# Altium PCB SNES TST Main.PcbDoc (part 1 of 3) (continued)
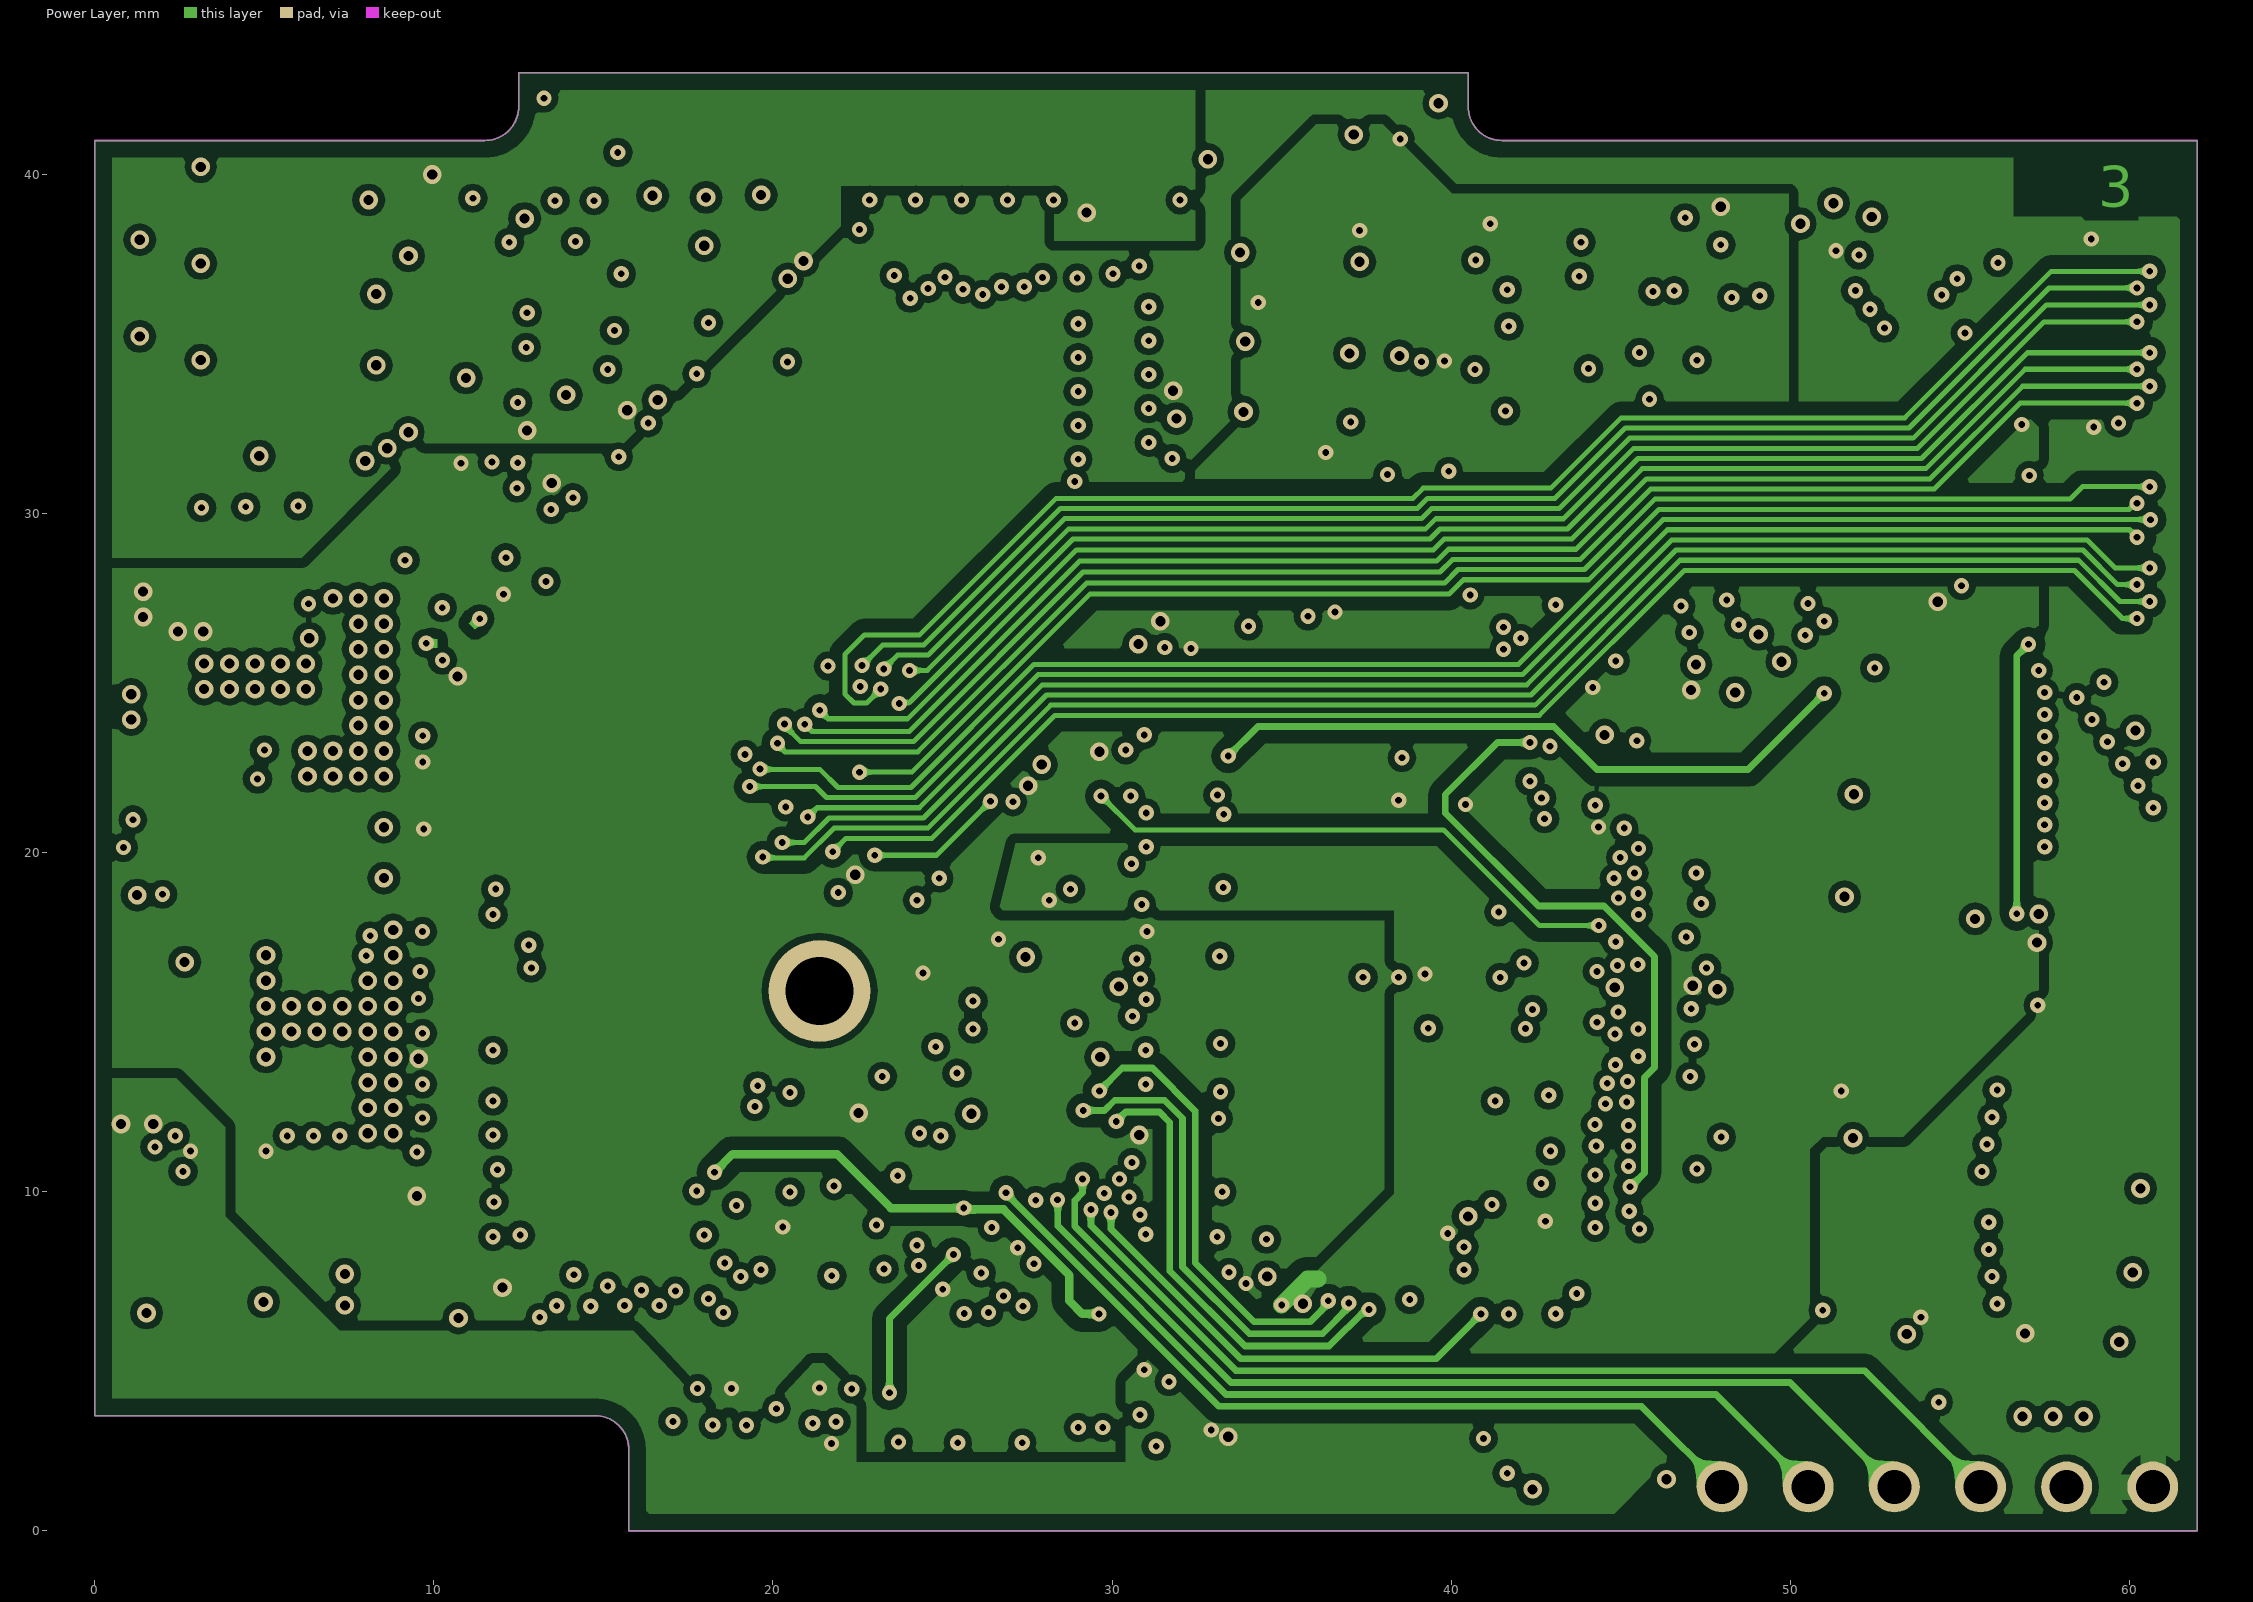
[diagram p3: Power Layer]
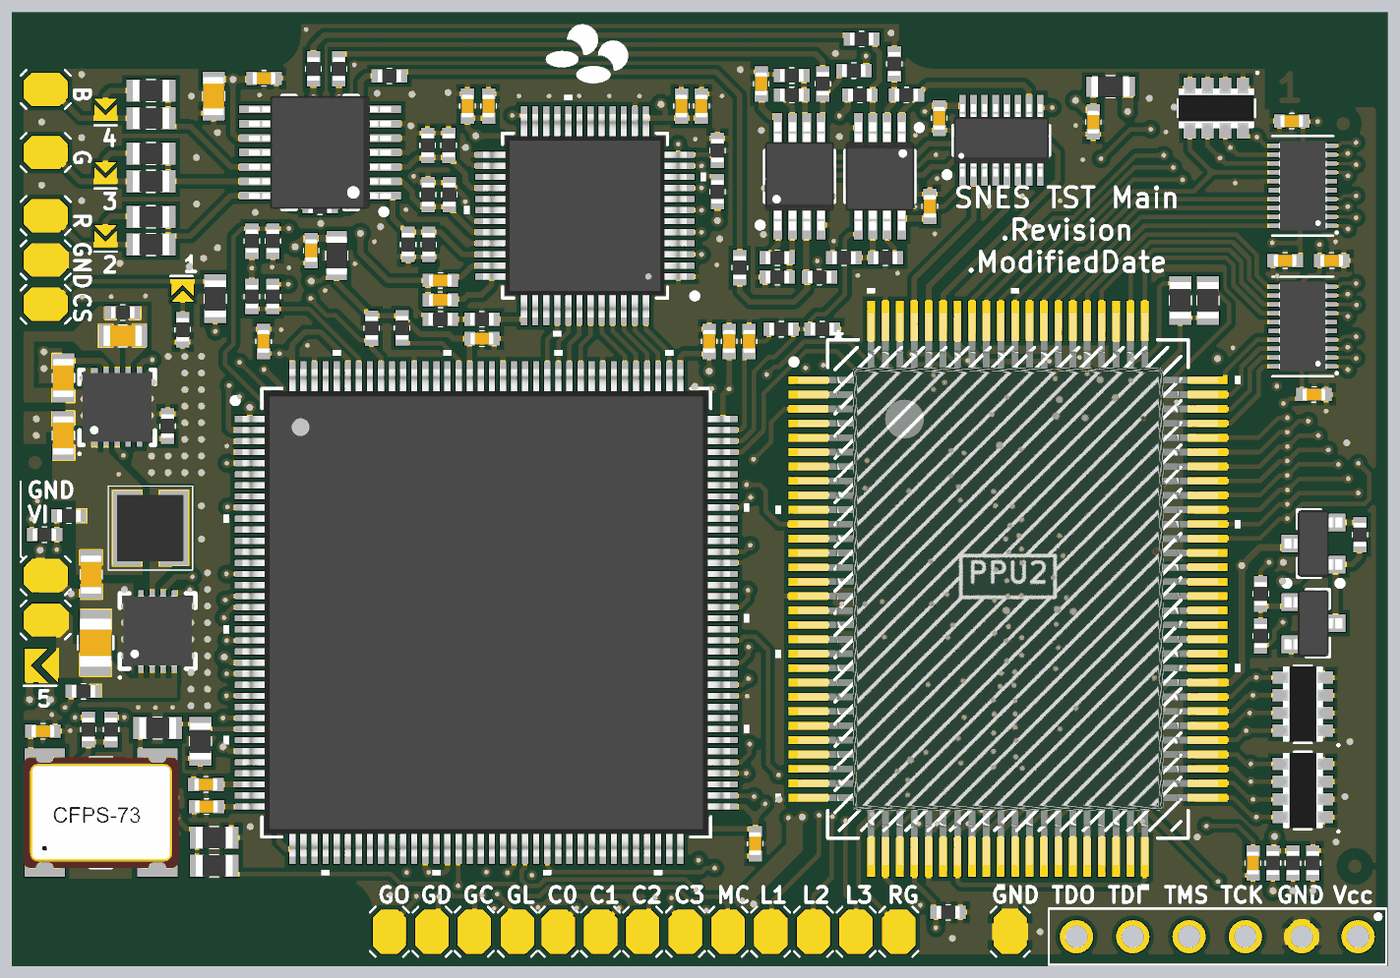
[diagram p6: 3D render of the assembled board from above, using the file's embedded part models]
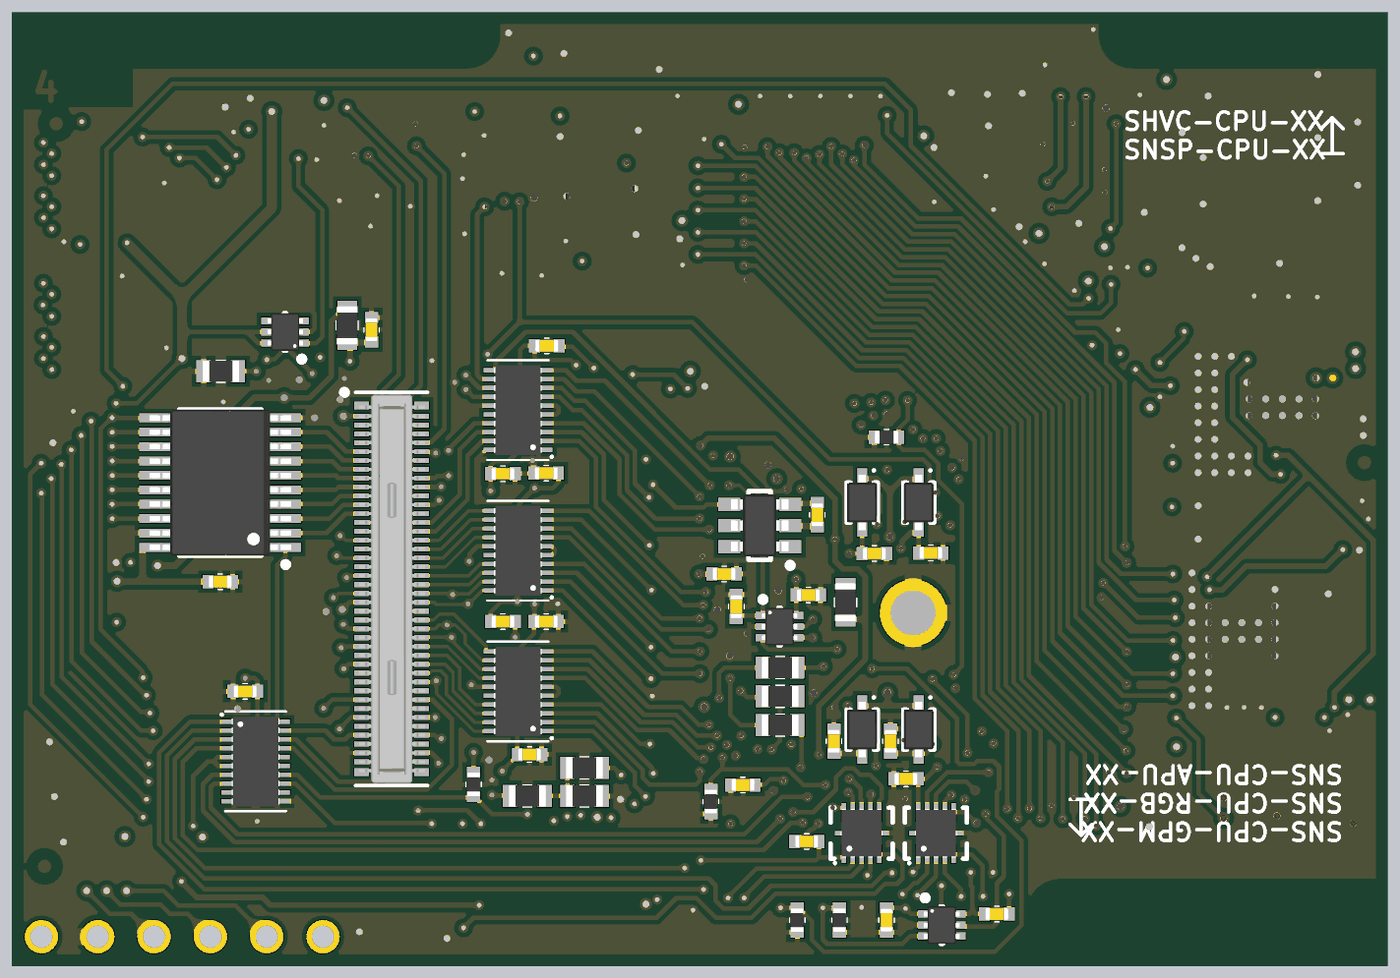
[diagram p7: 3D render of the assembled board from below, using the file's embedded part models]

## Layer stack, top to bottom
Top Solder: solder mask 0.01, Solder Resist, Dk 3.5
Top Layer: signal copper 0.035
Dielectric 4: prepreg 0.07, 1080, Dk 4.6
Dielectric 2: prepreg 0.07, 1080, Dk 4.6
Ground Layer: signal copper 0.035
Dielectric 1: core 1.2, FR-4, Dk 4.8
Power Layer: signal copper 0.035
Dielectric 3: prepreg 0.07, 1080, Dk 4.6
Dielectric 5: prepreg 0.07, 1080, Dk 4.6
Bottom Layer: signal copper 0.035
Bottom Solder: solder mask 0.01, Solder Resist, Dk 3.5

## Board outline
0,41 0,3.4 14.75,3.4 cw(c14.75,2.4) 15.75,2.4 15.75,0 62,0 62,41 41.5,41 cw(c41.5,42) 40.5,42 40.5,43 12.5,43 12.5,42 cw(c11.5,42) 11.5,41

## Design rules (kind name [scope] priority, off if disabled: settings)
BoardOutlineClearance BoardOutlineClearance_Overlay [(OnLayer('Top Overlay') OR OnLayer('Bottom Overlay'))] p1: gap=0 ignorepadtopadclearanceinfootprint=FALSE
BoardOutlineClearance [All] p2: gap=0.5 ignorepadtopadclearanceinfootprint=FALSE
Clearance Clearance_PowerPlane_Track [InNetClass('Power') And OnLayer('Power Layer') And Not IsTrack vs istrack] p1: gap=0.4 ignorepadtopadclearanceinfootprint=FALSE
Clearance Clearance_PowerPlane [InNetClass('Power') And OnLayer('Power Layer') vs InNetClass('Power') And OnLayer('Power Layer')] p2: gap=0.3 ignorepadtopadclearanceinfootprint=FALSE
Clearance [All] p3: gap=0.15 ignorepadtopadclearanceinfootprint=FALSE except(0.2: Arc-Poly Track-Poly SMDPad-Poly THPad-Poly Via-Poly Fill-Poly Poly-Poly; 0.25: Arc-Hole Track-Hole SMDPad-Hole THPad-Hole Via-Hole Fill-Hole Poly-Hole Region-Hole Text-Hole)
Height Height_Bot [OnBottom] p1: minheight=0 maxheight=1.5 prefheight=1
Height Height_Top [OnTop] p2: minheight=0 maxheight=3.3 prefheight=2
MinimumAnnularRing [All] p1: minimumring=0.1
MinimumSolderMaskSliver [All] p1: minsoldermaskwidth=0.07
PlaneConnect [All] p1: planeconnectstyle=Relief reliefexpansion=0.6 reliefentries=4 reliefconductorwidth=0.3 reliefairgap=0.3
PolygonConnect PolygonConnect_Big_Pad [(AsMM(PadXSize_AllLayers) > 0.8) And (AsMM(PadYSize_AllLayers) > 0.8)] p1: thpad.connectstyle=Relief thpad.reliefconductorwidth=0.75 thpad.reliefentries=4 thpad.polygonreliefangle="90 Angle" thpad.airgapwidth=0.25 smdpad.connectstyle=Relief smdpad.reliefconductorwidth=0.75 smdpad.reliefentries=4 smdpad.polygonreliefangle="90 Angle" smdpad.airgapwidth=0.25 via.connectstyle=Direct via.reliefconductorwidth=0.5 via.reliefentries=4 via.polygonreliefangle="90 Angle" via.airgapwidth=0.2
PolygonConnect [All] p2: thpad.connectstyle=Relief thpad.reliefconductorwidth=0.225 thpad.reliefentries=4 thpad.polygonreliefangle="90 Angle" thpad.airgapwidth=0.2 smdpad.connectstyle=Relief smdpad.reliefconductorwidth=0.225 smdpad.reliefentries=4 smdpad.polygonreliefangle="90 Angle" smdpad.airgapwidth=0.2 via.connectstyle=Direct via.reliefconductorwidth=0.225 via.reliefentries=4 via.polygonreliefangle="90 Angle" via.airgapwidth=0.2
RoutingVias [All] p1: holewidth=0.711 width=1.27 viastyle="Through Hole" minholewidth=0.2 minwidth=0.45 maxholewidth=2 maxwidth=2
SilkToSilkClearance [All] p1: silktosilkclearance=0
SilkToSolderMaskClearance [IsPad] p1: minsilkscreentomaskgap=0.1 clearancetoexposedcopper=TRUE
SolderMaskExpansion SolderMaskExpansion_Via [IsVia] p1: expansion=0.102 istentingtop=TRUE
SolderMaskExpansion [All] p2: expansion=0.05 istentingtop=FALSE
Width Width_0_15 [InNetClass('PA5V[7..0]') OR InNetClass('D5V[7..0]') OR InNetClass('TST3V[15..0]') OR InNetClass('VDA[7..0]')] p1: maxlimit=0.15 minlimit=0.15 preferedwidth=0.15
Width Width_Power [InNetClass('POWER')] p2: maxlimit=0.8 minlimit=0.2 preferedwidth=0.3
Width [All] p3: maxlimit=0.4 minlimit=0.2 preferedwidth=0.25
25 further rules are at their usual default settings.

## Classes and differential pairs
net class VDBCON[7..0]: VDBCON0 VDBCON1 VDBCON2 VDBCON3 VDBCON4 VDBCON5 VDBCON6 VDBCON7
component class Connectors: J2 R21 R22 R23 R24 TP1 TP2 TP3 TP4 TP5 TP6 TP7 TP8 TP9 TP10 TP11 TP12 TP13 TP14 TP15 TP16 TP17 TP18 TP19 TP20 TP21
component class "3.3V Voltage Regulator": C47 C48 C49 C50 C51 C52 C53 C54 FB1 FB2 FB3 FB4 Fid1 Fid2 Fid3 Fid4 Fid5 Fid6 IC22 IC23 JP5 L1 Q1 Q2 R71 R72 R73 R74 R75 R76 R77 R78
net class POWER: 3.3V 3.3V_A 3.8V 5V 5V_A 5V_PPU NetIC22_7 PPU_AVCC VCCA VIN
net class VDB[7..0]: VDB0 VDB1 VDB2 VDB3 VDB4 VDB5 VDB6 VDB7
net class VDA[7..0]: VDA0 VDA1 VDA2 VDA3 VDA4 VDA5 VDA6 VDA7
net class TST5V[15..0]: TST5V0 TST5V1 TST5V2 TST5V3 TST5V4 TST5V5 TST5V6 TST5V7 TST5V8 TST5V9 TST5V10 TST5V11 TST5V12 TST5V13 TST5V14 TST5V15
net class TST3V[15..0]: TST3V0 TST3V1 TST3V2 TST3V3 TST3V4 TST3V5 TST3V6 TST3V7 TST3V8 TST3V9 TST3V10 TST3V11 TST3V12 TST3V13 TST3V14 TST3V15
net class RDIG[9..1]: RDIG1 RDIG2 RDIG3 RDIG4 RDIG5 RDIG6 RDIG7 RDIG8 RDIG9
net class PA5V[7..0]: PA5V0 PA5V1 PA5V2 PA5V3 PA5V4 PA5V5 PA5V6 PA5V7
net class PA3V[7..0]: PA3V0 PA3V1 PA3V2 PA3V3 PA3V4 PA3V5 PA3V6 PA3V7
net class GDIG[9..1]: GDIG1 GDIG2 GDIG3 GDIG4 GDIG5 GDIG6 GDIG7 GDIG8 GDIG9
net class D5V[7..0]: D5V0 D5V1 D5V2 D5V3 D5V4 D5V5 D5V6 D5V7
net class D3V[7..0]: D3V0 D3V1 D3V2 D3V3 D3V4 D3V5 D3V6 D3V7
net class BDIG[9..1]: BDIG1 BDIG2 BDIG3 BDIG4 BDIG5 BDIG6 BDIG7 BDIG8 BDIG9
component class "5V<->3.3V Voltage Shifters": C18 C19 C20 C21 C22 C23 C24 C25 C26 C27 C28 C29 C30 C31 C32 C33 C34 C35 IC6 IC7 IC8 IC9 IC10 IC11 IC12 IC13 IC14 IC15 IC16 JP? Q? R25 R26 R27 R28 R29 R30 R? TP?
component class "RGB Video Output": C36 C37 C38 C39 C40 C41 C42 C43 C44 C45 C46 FB? IC17 IC18 IC19 IC20 IC21 JP1 JP2 JP3 JP4 JP? R31 R32 R33 R34 R35 R36 R37 R38 R39 R40 R41 R42 R43 R44 R45 R46 R47 R48 R49 R50 R51 R52 R53 R54 R55 R56 R57 R58 R59 R60 R61 R62 R63 R64 R65 R66 R67 R68 R69 R70 R? TP?
component class PPU2: C16 C17 IC3 IC4 IC5 R20 RN1 RN2 RN3
component class "MAX 10 CPLD": C1 C2 C3 C4 C5 C6 C7 C8 C9 C10 C11 C12 C13 C14 C15 D1 D2 D3 D4 D? FB? Fid? IC1 IC2 J1 J? R1 R2 R3 R4 R5 R6 R7 R8 R9 R10 R11 R12 R13 R14 R15 R16 R17 R18 R19 R? TP?

## Components (designator, comment, footprint, x,y, rotation, side; value= is the part's Value field where it differs from the comment)
C1 "Ceramic Capacitor 10pF 10V ±20% X7R 0402" Cap_0402_Chip 22.4,10.125 r90 bottom value=10pF
C2 "Ceramic Capacitor 10pF 10V ±20% X7R 0402" Cap_0402_Chip 24.95,10.125 r90 bottom value=10pF
C3 "Ceramic Capacitor 10pF 10V ±20% X7R 0402" Cap_0402_Chip 20.575,18.625 r180 bottom value=10pF
C4 "Ceramic Capacitor 10pF 10V ±20% X7R 0402" Cap_0402_Chip 23.125,18.6 r180 bottom value=10pF
C5 "Ceramic Capacitor 100nF 10V ±20% X7R 0402" Cap_0402_Chip 8.75,7.175 r180 top value=100nF
C6 "Ceramic Capacitor 100nF 10V ±20% X7R 0402" Cap_0402_Chip 33.5,5.5 r270 top value=100nF
C7 "Ceramic Capacitor 100nF 10V ±20% X7R 0402" Cap_0402_Chip 31.425,28.175 r90 top value=100nF
C8 "Ceramic Capacitor 100nF 10V ±20% X7R 0402" Cap_0402_Chip 11.325,28.175 r90 top value=100nF
C9 "Ceramic Capacitor 100nF 10V ±20% X7R 0402" Cap_0402_Chip 32.325,28.175 r90 top value=100nF
C10 "Ceramic Capacitor 100nF 10V ±20% X7R 0402" Cap_0402_Chip 21.175,28.3 r0 top value=100nF
C11 "Ceramic Capacitor 100nF 10V ±20% X7R 0402" Cap_0402_Chip 1.375,10.575 r0 top value=100nF
C12 "Ceramic Capacitor 100nF 10V ±20% X7R 0402" Cap_0402_Chip 8.725,8.175 r180 top value=100nF
C13 "Ceramic Capacitor 100nF 10V ±20% X7R 0402" Cap_0402_Chip 33.225,28.175 r90 top value=100nF
C14 "Ceramic Capacitor 100nF 10V ±20% X7R 0402" Cap_0402_Chip 29.9,17.675 r180 bottom value=100nF
C15 "Ceramic Capacitor 100nF 10V ±20% X7R 0402" Cap_0402_Chip 29.05,8.15 r0 bottom value=100nF
C16 "Ceramic Capacitor 100nF 10V ±20% X7R 0402" Cap_0402_Chip 25.7,20.35 r90 bottom value=100nF
C17 "Ceramic Capacitor 100nF 10V ±20% X7R 0402" Cap_0402_Chip 52.625,17.325 r180 bottom value=100nF
C18 "Ceramic Capacitor 100nF 10V ±20% X7R 0402" Cap_0402_Chip 38.675,9.525 r180 bottom value=100nF
C19 "Ceramic Capacitor 100nF 10V ±20% X7R 0402" Cap_0402_Chip 37.925,15.525 r180 bottom value=100nF
C20 "Ceramic Capacitor 100nF 10V ±20% X7R 0402" Cap_0402_Chip 58.7,25.775 r0 top value=100nF
C21 "Ceramic Capacitor 100nF 10V ±20% X7R 0402" Cap_0402_Chip 59.5,31.825 r0 top value=100nF
C22 "Ceramic Capacitor 100nF 10V ±20% X7R 0402" Cap_0402_Chip 39.875,22.2 r180 bottom value=100nF
C23 "Ceramic Capacitor 100nF 10V ±20% X7R 0402" Cap_0402_Chip 37.9,27.975 r180 bottom value=100nF
C24 "Ceramic Capacitor 100nF 10V ±20% X7R 0402" Cap_0402_Chip 57.4,31.825 r180 top value=100nF
C25 "Ceramic Capacitor 100nF 10V ±20% X7R 0402" Cap_0402_Chip 57.7,38.125 r180 top value=100nF
C26 "Ceramic Capacitor 100nF 10V ±20% X7R 0402" Cap_0402_Chip 51.5,12.375 r0 bottom value=100nF
C27 "Ceramic Capacitor 100nF 10V ±20% X7R 0402" Cap_0402_Chip 55.95,4.625 r270 top value=100nF
C28 "Ceramic Capacitor 100nF 10V ±20% X7R 0402" Cap_0402_Chip 39.875,15.525 r180 bottom value=100nF
C29 "Ceramic Capacitor 100nF 10V ±20% X7R 0402" Cap_0402_Chip 37.925,22.225 r0 bottom value=100nF
C30 "Ceramic Capacitor 100nF 10V ±20% X7R 0402" Cap_0402_Chip 29.35,16.2 r90 bottom value=100nF
C31 "Ceramic Capacitor 100nF 10V ±20% X7R 0402" Cap_0402_Chip 26.1,16.725 r180 bottom value=100nF
C32 "Ceramic Capacitor 100nF 10V ±20% X7R 0402" Cap_0402_Chip 26.175,5.6 r0 bottom value=100nF
C33 "Ceramic Capacitor 100nF 10V ±20% X7R 0402" Cap_0402_Chip 21.7,8.425 r0 bottom value=100nF
C34 "Ceramic Capacitor 100nF 10V ±20% X7R 0402" Cap_0402_Chip 22.575,2.05 r270 bottom value=100nF
C35 "Ceramic Capacitor 100nF 10V ±20% X7R 0402" Cap_0402_Chip 17.6,2.325 r180 bottom value=100nF
C36 "Ceramic Capacitor 100nF 10V ±20% X7R 0402" Cap_0402_Chip 41.375,34.275 r90 top value=100nF
C37 "Ceramic Capacitor 100nF 10V ±20% X7R 0402" Cap_0402_Chip 41.8,38.25 r270 top value=100nF
C38 "Ceramic Capacitor 100nF 10V ±20% X7R 0402" Cap_0402_Chip 33.775,39.8 r90 top value=100nF
C39 "Ceramic Capacitor 100nF 10V ±20% X7R 0402" Cap_0402_Chip 19.3,30.05 r0 top value=100nF
C40 "Ceramic Capacitor 100nF 10V ±20% X7R 0402" Cap_0402_Chip 19.3,30.925 r0 top value=100nF
C41 "Ceramic Capacitor 100nF 10V ±20% X7R 0402" Cap_0402_Chip 30.175,38.8 r270 top value=100nF
C42 "Ceramic Capacitor 10nF 10V ±20% X7R 0402" Cap_0402_Chip 31.075,38.8 r270 top value=10nF
C43 "Ceramic Capacitor 100nF 10V ±20% X7R 0402" Cap_0402_Chip 21.475,38.8 r270 top value=100nF
C44 "Ceramic Capacitor 10nF 10V ±20% X7R 0402" Cap_0402_Chip 20.525,38.8 r270 top value=10nF
C45 "Ceramic Capacitor 10nF 10V ±20% X7R 0402" Cap_0402_Chip 11.35,40.05 r180 top value=10nF
C46 "Ceramic Capacitor 1uF 10V ±20% X7R 0603" Cap_0603_Chip 9.075,39.25 r90 top value=1uF
C47 "Ceramic Capacitor 100nF 10V ±20% X7R 0402" Cap_0402_Chip 13.475,32.275 r270 top value=100nF
C48 "Ceramic Capacitor 10uF 25V ±20% X5R 0805" Cap_0805_Chip 3.75,14.575 r270 top value=10uF
C49 "Ceramic Capacitor 10uF 10V ±20% X5R 0603" Cap_0603_Chip 3.55,17.65 r90 top value=10uF
C50 "Ceramic Capacitor 4.7uF 10V ±20% X5R 0603" Cap_0603_Chip 2.3,23.925 r270 top value=4.7uF
C51 "Ceramic Capacitor 10uF 10V ±20% X5R 0603" Cap_0603_Chip 2.3,26.525 r90 top value=10uF
C52 "Ceramic Capacitor 4.7uF 10V ±20% X5R 0603" Cap_0603_Chip 4.975,28.425 r0 top value=4.7uF
C53 "Ceramic Capacitor 100nF 10V ±20% X7R 0402" Cap_0402_Chip 48.75,38.075 r270 top value=100nF
C54 "Ceramic Capacitor 100nF 10V ±20% X7R 0402" Cap_0402_Chip 45.8,28.7 r90 bottom value=100nF
D1 "BAT54WS" SOD323 21.125,10.65 r270 bottom
D2 "BAT54WS" SOD323 23.675,10.65 r270 bottom
D3 "BAT54WS" SOD323 21.125,20.9 r270 bottom
D4 "BAT54WS" SOD323 23.675,20.9 r270 bottom
FB1 "1000Ohm  200mA" Ind_0603_Chip 14.625,32.05 r90 top
FB2 "1000Ohm  200mA" Ind_0603_Chip 24.425,16.4 r270 bottom
FB3 "1000Ohm  200mA" Ind_0603_Chip 49.525,39.675 r180 top
FB4 "1000Ohm  200mA" Ind_0603_Chip 46.9,28.9 r270 bottom
Fid1 "Fiducial" Fiducial_1_side 1.025,22.7 r90 top
Fid2 "Fiducial" Fiducial_1_side 60.55,4.475 r90 top
Fid3 "Fiducial" Fiducial_1_side 60.025,38 r90 top
Fid4 "Fiducial" Fiducial_1_side 1.025,22.7 r90 bottom
Fid5 "Fiducial" Fiducial_1_side 60.55,4.475 r90 bottom
Fid6 "Fiducial" Fiducial_1_side 60.025,38 r90 bottom
IC1 "10M04SAE144C8G" EQFP-144_A:1P65_ 21.375,15.925 r0 top locked
IC2 "17.734475 MHz" "Quarz 7.5mm" 4,6.9 r0 top
IC3 "SNES PPU2" PPU100Pin 44.9,17 r0 top
IC4 "TMUX1219" SOT23-6 28.298,19.864 r0 bottom
IC5 "SN74HCT541" "TSSOP20 Narrow" 52.625,21.8 r0 bottom
IC6 "TXB0108DQSR" SON20 39.2,12.375 r0 bottom
IC7 "TXB0108DQSR" SON20 58.2,28.85 r180 top
IC8 "TXB0108DQSR" SON20 39.2,25.075 r0 bottom
IC9 "TXB0108DQSR" SON20 39.2,18.725 r0 bottom
IC10 "TXB0108DQSR" SON20 58.2,35.2 r180 top
IC11 "TXB0108DQSR" SON20 51.032,9.215 r180 bottom
IC12 "TXU0304" UQFN12 20.35,5.975 r90 bottom
IC13 "SN74LVC1T45" SOT-5X3 49.7,28.6 r0 bottom
IC14 "SN74LVC1T45" SOT-5X3 27.4,15.3 r180 bottom
IC15 "TXU0304" UQFN12 23.7,5.975 r90 bottom
IC16 "SN74LVC1T45" SOT-5X3 20.086,1.825 r180 bottom
IC17 "OPA2356" MSOP8 39.125,35.625 r270 top
IC18 "TMUX1574" SOT-23THIN16 44.6,37.25 r90 top
IC19 "OPA2356" MSOP8 35.5,35.625 r90 top
IC20 "ADV7123" ST_48_ADI 25.825,33.85 r180 top
IC21 "THS7374" TSSOP14 13.875,36.7 r180 top
IC22 "ADP2370" LFCSP8 6.55,15.1 r90 top
IC23 "LT3045" DFN10 4.725,25.2 r90 top
J1 "Conn 6P" Con6P 54.34,1.3 r180 top
J2 "DF40C-80DP" DF40C-80DP 44.9,17 r270 bottom
JP1 "Jumper" Jumper 7.675,30.475 r0 top
JP2 "Jumper" Jumper 4.2,32.925 r180 top
JP3 "Jumper" Jumper 4.2,35.775 r180 top
JP4 "Jumper" Jumper 4.2,38.625 r180 top
JP5 "Jumper" "Jumper Big" 1.3,13.55 r90 top
L1 "0603" WE-MAPI_3020 6.225,19.75 r180 top value=6.8uH
Q1 "IRLML6402" SOT23_FET 58.675,19.05 r180 top
Q2 "MMBT3904" SOT23_Transistor 58.675,15.45 r0 top
R1 "Resistor 10k 0402 ±1%" Res_0402_Chip 10.8,30.2 r270 top value=10k
R2 "Resistor 10k 0402 ±1%" Res_0402_Chip 56.85,4.625 r270 top value=10k
R3 "Resistor 10k 0402 ±1%" Res_0402_Chip 57.75,4.625 r270 top value=10k
R4 "Resistor 1k 0402 ±1%" Res_0402_Chip 58.65,4.625 r90 top value=1k
R5 "Resistor 75R 0402 ±1%" Res_0402_Chip 11.75,30.2 r90 top value=75R
R6 "Resistor 0R 0402" Res_0402_Chip 3.425,10.65 r270 top value=0R
R7 "Resistor 0R 0402" Res_0402_Chip 4.45,10.65 r270 top value=0R
R8 "Resistor 39R 0603 ±1%" Res_0603_Chip 6.55,10.725 r180 top value=39R
R9 "Resistor 39R 0603 ±1%" Res_0603_Chip 8.475,10.125 r270 top value=39R
R10 "Resistor 39R 0603 ±1%" Res_0603_Chip 9.1,4.5 r0 top value=39R
R11 "Resistor 39R 0603 ±1%" Res_0603_Chip 9.1,5.775 r0 top value=39R
R12 "Resistor 10k 0402 ±1%" Res_0402_Chip 16.2,28.775 r270 top value=10k
R13 "Resistor 10k 0402 ±1%" Res_0402_Chip 34.675,28.725 r0 top value=10k
R14 "Resistor 10k 0402 ±1%" Res_0402_Chip 22.575,23.85 r180 bottom value=10k
R15 "Resistor 39R 0603 ±1%" Res_0603_Chip 36.2,8.925 r180 bottom value=39R
R16 "Resistor 0R 0603" Res_0603_Chip 38.775,7.65 r180 bottom value=0R
R17 "Resistor 10k 0402 ±1%" Res_0402_Chip 36.525,28.725 r0 top value=10k
R18 "Resistor 300R 0603 ±1%" Res_0603_Chip 36.2,7.65 r180 bottom value=300R
R19 "Resistor 10k 0402 ±1%" Res_0402_Chip 17.572,28.786 r270 top value=10k
R20 "Resistor 51k 0402 ±1%" Res_0402_Chip 41.2,8.175 r90 bottom value=51k
R21 "Resistor 300R 0603 ±1%" Res_0603_Chip 27.375,10.85 r180 bottom value=300R
R22 "Resistor 300R 0603 ±1%" Res_0603_Chip 27.375,12.15 r180 bottom value=300R
R23 "Resistor 300R 0603 ±1%" Res_0603_Chip 27.375,13.45 r180 bottom value=300R
R24 "Resistor 0R 0603 ±1%" Res_0603_Chip 53.925,30.025 r90 top value=0R
R25 "Resistor 0R 0603 ±1%" Res_0603_Chip 52.675,30.025 r90 top value=0R
R26 "Resistor 100R 0603 ±1%" Res_0603_Chip 52.6,26.825 r0 bottom value=100R
R27 "Resistor 10k 0402 ±1%" Res_0402_Chip 26.6,2.05 r90 bottom value=10k
R28 "Resistor 10k 0402 ±1%" Res_0402_Chip 24.7,2.05 r90 bottom value=10k
R29 "Resistor 10k 0402 ±1%" Res_0402_Chip 30.5,7.4 r270 bottom value=10k
R30 "Resistor 10k 0402 ±1%" Res_0402_Chip 42.2,2.4 r180 top value=10k
R31 "Resistor 100k 0402 ±1%" Res_0402_Chip 38.225,39.3 r180 top value=100k
R32 "Resistor 0R 0402" Res_0402_Chip 13.575,40.475 r270 top value=0R
R33 "Resistor 1k 0402 ±1%" Res_0402_Chip 38.3,41.825 r180 top value=1k
R34 "Resistor 680R 0603 ±1%" Res_0603_Chip 9.15,30.1 r90 top value=680R
R35 "Resistor 84R5 0402 ±1%" Res_0402_Chip 7.675,28.7 r90 top value=84R5
R36 "Resistor 237R 0402 ±1%" Res_0402_Chip 39.775,40.7 r270 top value=237R